# Allegro board pc065a_toplevel_61.brd (continued)
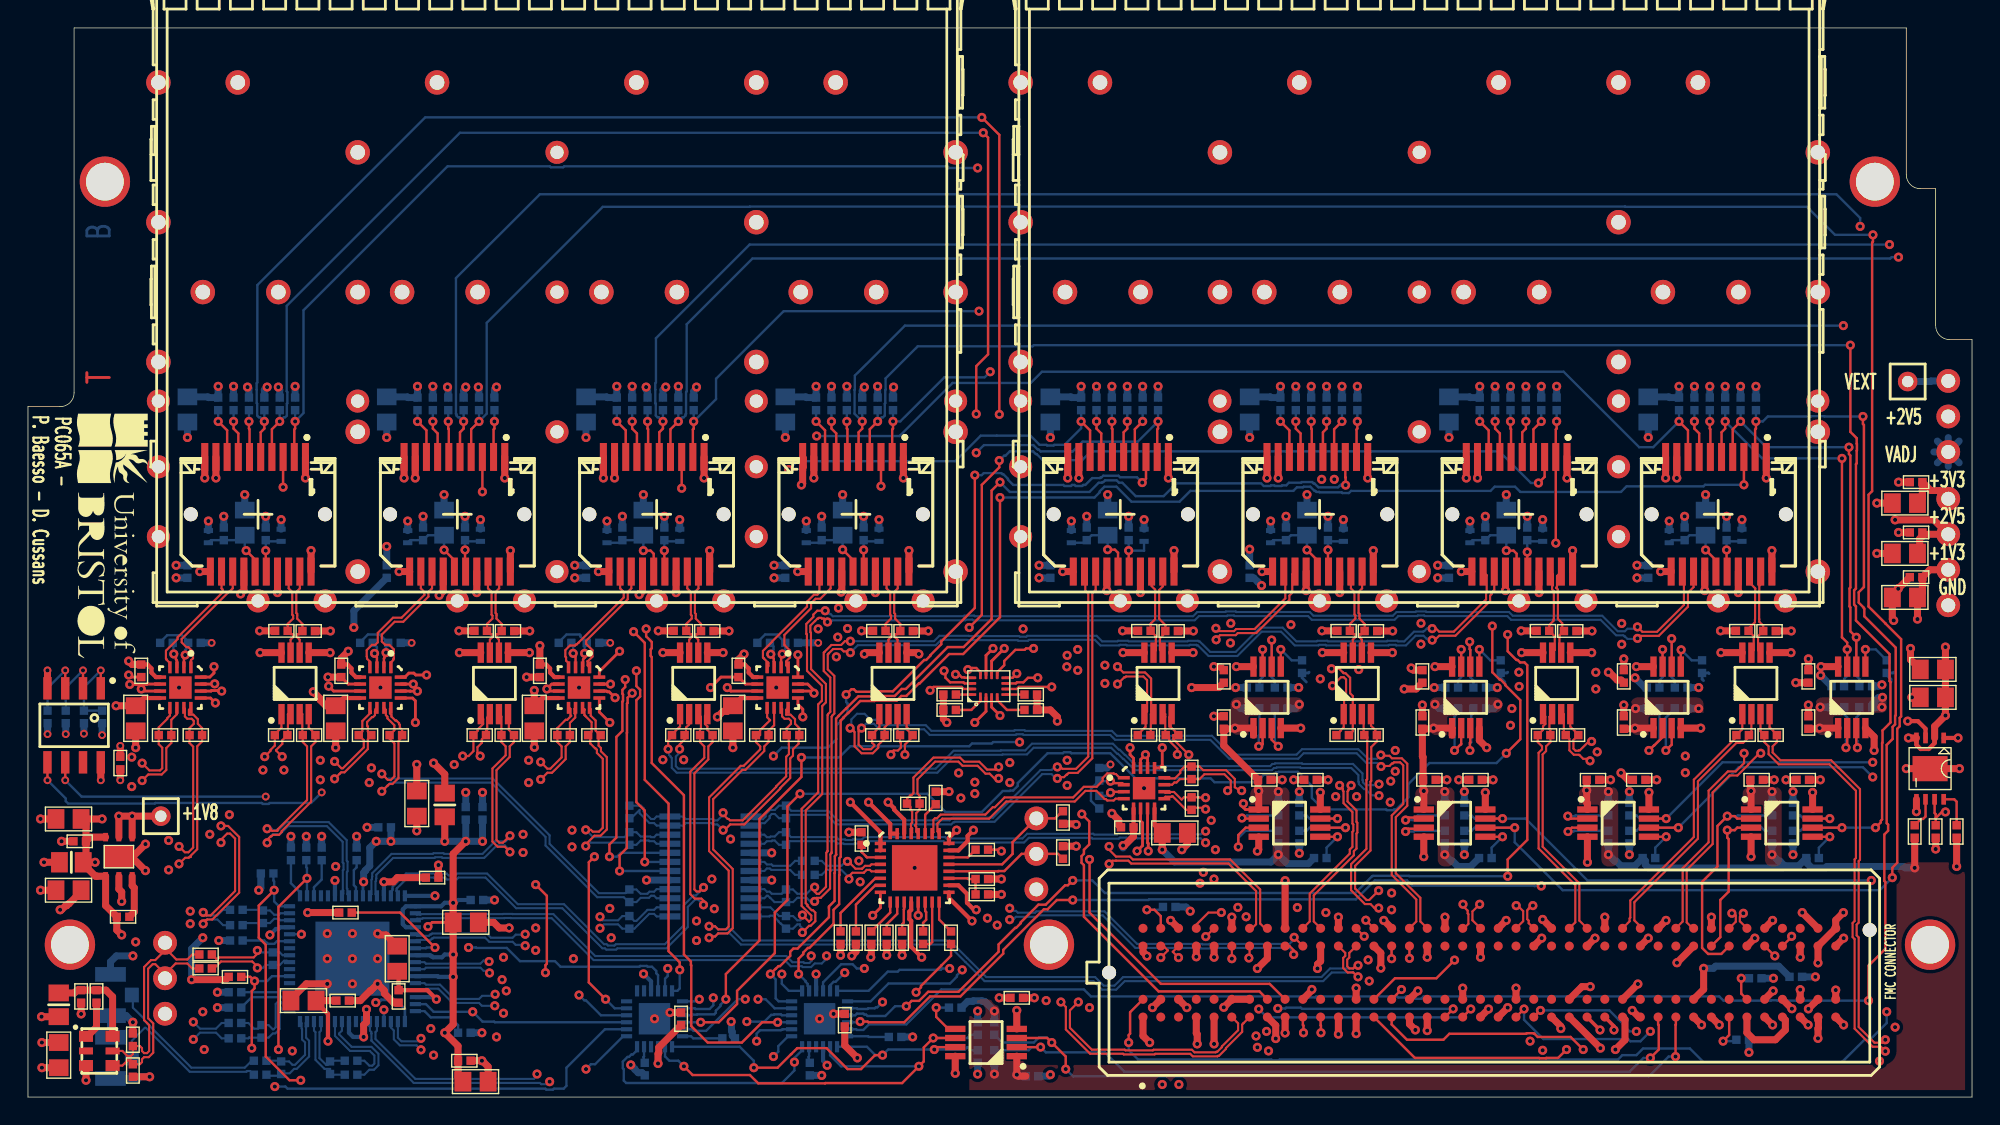
[diagram p0: board, top side]
## Routing (per net, layer and track width the routed paths; a pad name or vN(x,y) marks a point on that pad's centre or on a via; arc(x,y) is an arc through that point) (continued)
  BOTTOM w0.3: IC10.9 v1(56.35,8.8) ; IC23.9 44.55,8.28 v1(44.01,8.81)
  BOTTOM w0.5: R181.1 43.91,1.74 43.63,1.74 43.39,1.98 43.39,2.01 v1(43.1,2.3) ; C74.1 v1(72.3,38.05) ; R32.1 v1(56.75,1.55) ; v1(73.1,1.6) 73,1.5 C79.1 ; C33.1 v1(17,41.55) ; C41.1 v1(25.65,47.2) ; PX2.3 5.9,9.68 6.32,10.1 v1(7.5,10.1) ; C32.1 v1(11.4,47.2) ; R202.2 v2(4,26) ; C73.1 v1(89.95,41.55) ; v1(8.7,1.45) 8.02,1.45 7.89,1.33 PX1.2 ; C42.1 v1(31.25,41.55) ; C61.1 v1(121.45,41.55) ; C50.1 v1(53.35,38.05) ; C46.1 v1(39.9,47.2) ; C65.1 v1(101.6,47.2) ; C54.1 v1(56.75,41.55) ; C60.1 v1(115.85,47.2) ; C64.1 v1(100.8,38.05) ; C77.1 v1(77.2,43.1) ; R12.1 v1(21,18.65) ; C69.1 v1(87.35,39.2) ; C47.1 v1(45.5,41.55) ; C66.1 v1(107.2,41.55) ; C51.1 v1(54.15,47.2) ; C34.1 v1(15.5,43.1) ; C40.1 v1(25.65,39.4) ; R18.1 v1(32.45,4.6) ; R31.1 v1(63.25,4.3) ; C45.1 v1(39.1,38.05) ; v1(83.1,13.3) 82.8,13.6 R30.1 ; C31.1 v1(10.6,38.05) ; C70.1 v1(87.35,47.2) ; C13.1 v1(24.25,19.3) ; R19.1 v1(23.5,18.65) ; R10.1 v1(13.65,11.2) ; 51.7,17.48 v1(53.17,17.48) ; C44.1 v1(28.25,41.55) ; C71.1 v1(92.95,41.55) ; R185.1 v1(124.8,8.5) ; C67.1 v1(105.7,43.1) ; R203.2 v2(1.4,25.97) ; C76.1 v1(78.7,41.55) ; C63.1 v1(118.45,41.55) ; R21.1 v1(13.55,7.5) ; C72.1 v1(91.45,43.1) ; R20.1 v1(13.55,6.4) ; C14.1 v1(32.5,21.8) ; C11.1 v1(31.3,21.8) ; C53.1 v1(58.25,43.1) ; R11.1 v1(18.8,18.65) ; C52.1 v1(59.75,41.55) ; C49.1 v1(42.5,41.55) ; C62.1 v1(119.95,43.1) ; C68.1 v1(104.2,41.55) ; v1(7.5,5.35) 7.03,5.83 PX2.2 PX1.3 ; C48.1 v1(44,43.1) ; C35.1 v1(14,41.55) ; C75.1 v1(73.1,47.2) ; C78.1 v1(75.7,41.55) ; C9.1 v1(33.35,14.1) ; C43.1 v1(29.75,43.1) ; R204.2 v2(2.7,25.97) ; C59.1 v1(115.05,38.05) ; R184.1 v1(123.05,3.2)
  vias: v1(7.42,24.32) v1(7.42,22.22) v1(10.06,18.36) v1(10.06,16.26) v1(11.6,13.3) v1(11.6,12.4) v1(12.5,6.1) v1(12.6,3.4) v1(13,18.8) v1(14.4,20.2) v1(16.8,23.4) v1(18.3,23.4) v1(20.9,24.1) v1(20.9,22.7) v1(21.4,11.7) v1(21.4,9.9) v1(23.2,11.7) v1(23.2,9.9) v1(23.2,8.1) v1(24.4,22.5) v1(24.56,23.55) v1(25,9.9) v1(25.2,29.3) v1(28.8,4.9) v1(29,3) v1(30.48,23.79) v1(33.9,8.4) v1(34,10) v1(34,6) v1(34.2,7.6) v1(35.4,18.8) v1(35.4,17.5) v1(35.8,24.1) v1(35.8,22.5) v1(36.3,12.1) v1(36.3,10.5) v1(38.9,19.1) v1(38.9,17.9) v1(39.4,29.3) v1(41.6,13.5) v1(41.7,11.4) v1(44.8,5.6) v1(45.39,24.14) v1(46.88,24.14) v1(47.8,12.6) v1(47.8,11.2) v1(48.9,15.6) v1(49.07,13.47) v1(50.23,18.46) v1(56.5,33.5) v1(56.6,5.6) v1(57.8,31.5) v1(57.95,34.99) v1(57.9,32.91) v1(59.41,16.9) v1(59.5,15.4) v1(63.4,16.4) v1(66.54,23.19) v1(66.7,21.4) v1(68.6,12.8) v1(69.3,12.3) v1(70.2,23.93) v1(70.2,22.5) v1(72.8,6.9) v1(74.3,24.1) v1(74.3,22.3) v1(75.06,32.03) v1(75.06,30.54) v1(75.9,6.4) v1(77,30.9) v1(77,29.6) v1(79.8,22.1) v1(84.6,19.8) v1(84.8,15.6) v1(84.9,17.7) v1(86,33.9) v1(85.98,32.49) v1(88.56,4.7) v1(88.7,3.3) v1(92.4,29.92) v1(93.5,21.5) v1(95,21.5) v1(95.15,30.59) v1(95.82,9.81) v1(95.9,8.3) v1(97.43,22.6) v1(97.4,21.1) v1(97.5,14.6) v1(97.5,13.4) v1(97.76,24.8) v1(97.76,23.31) v1(99.6,33.9) v1(99.59,32.41) v1(112.2,24.7) v1(113.95,33.89) v1(113.95,32.4) v1(132.38,2.57) v1(133.5,5)
